# Altium PCB Board.PcbDoc (part 1 of 3) (continued)
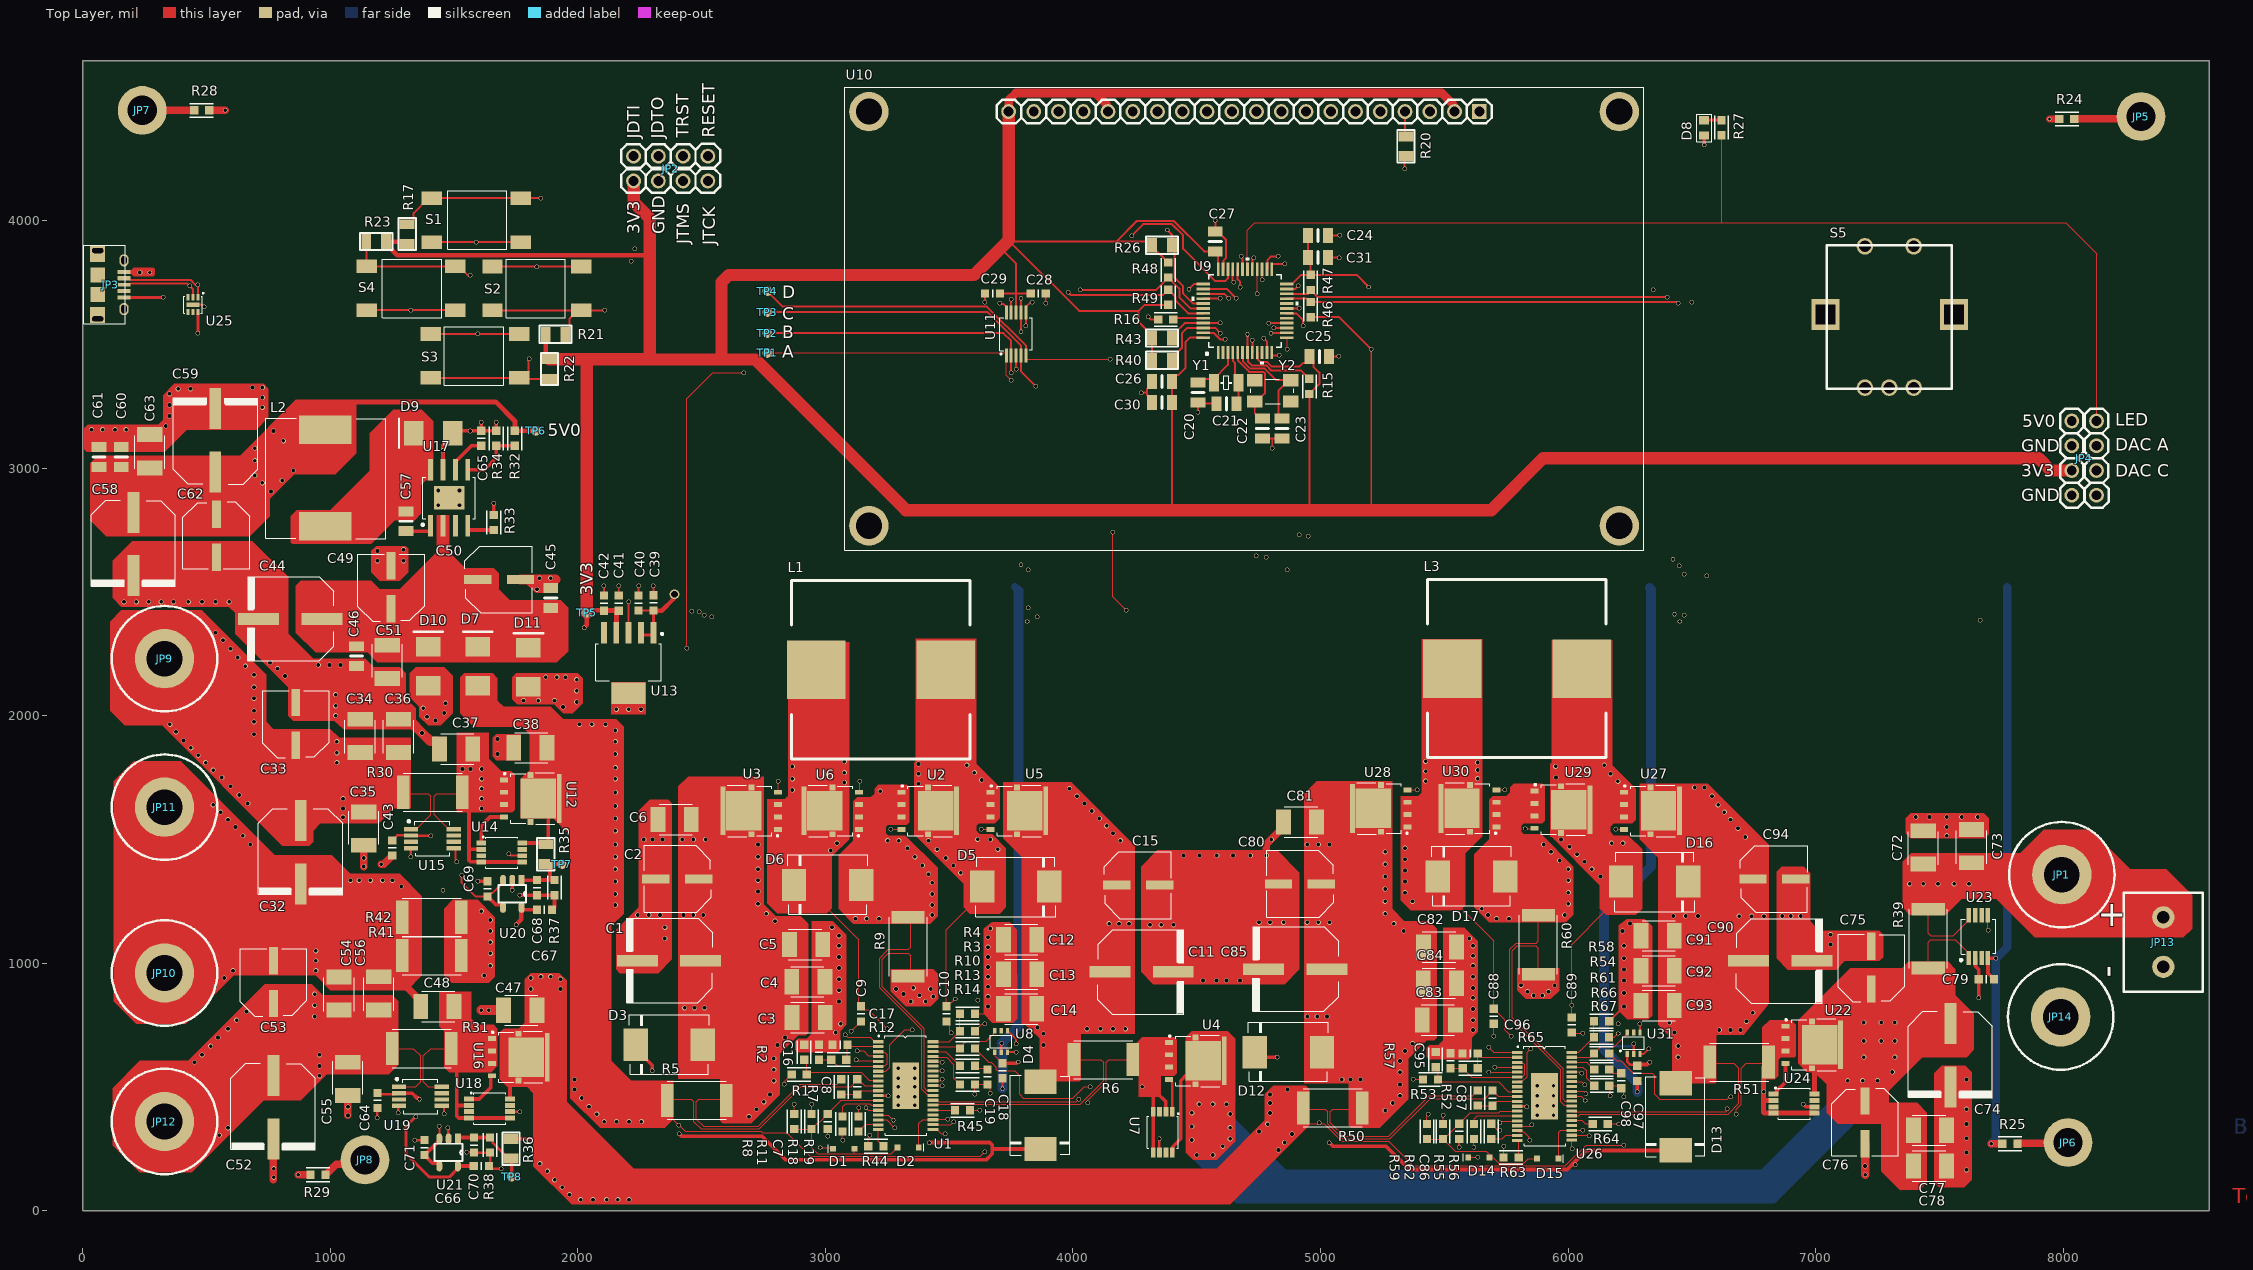
[diagram p0: Top Layer view]
## Footprints (in the part's own frame and the unit in brackets; to place one, negate y for a bottom-side part, rotate by r counter-clockwise, add the part's x,y. Pads: shape width x height; smd on the part's side, far side on the other; paste and mask are expansions set on the pad) (continued)
SOD323F [mm]
  rect 0.6x0.6 smd mask+0.102: 1(-1.1,0) 2(1.1,0)
  silkscreen extent -1.6,-0.4 -1.6,0.4, body extent -1.35,-0.67 1.35,0.67, height 0.82
SOT-23-5 [mm]
  rect 1.1x0.6 smd: 1(0,0)
  oval 1.1x0.6 smd: 2(0,-0.95) 3(0,-1.9) 4(2.8,-1.9) 5(2.8,0)
  silkscreen extent 0.51,-2.38 2.29,0.48, body extent -0.01,-2.42 2.79,0.48, height 1.45
"TACTILE 4 PIN SMD 6MM" [mm]
  rect 1.4x2.1 smd: 1(0,0) 1(0,-9.1) 2(4.5,0) 2(4.5,-9.1)
  silkscreen extent -0.74,-7.48 5.26,-1.42, body extent -0.76,-9.52 5.24,0.48, height 5.07
"TEST POINT" [mm]
  round 1 smd: 1(0,0)
TSSOP-38-GNDPAD [mm]
  rect 0.32x1.1 smd: 1(0,0) 2(0.5,0) 3(1.021,0) 4(1.521,0) 5(2.021,0) 6(2.521,0) 7(3.021,0) 8(3.521,0) 9(4.021,0) 10(4.521,0) 11(5.021,0) 12(5.521,0) 13(6.021,0) 14(6.521,0) 15(7.021,0) 16(7.521,0) 17(8.021,0) 18(8.521,0) 19(9.021,0) 20(9,5.6) 21(8.5,5.6) 22(8,5.6) 23(7.5,5.6) 24(7,5.6) 25(6.5,5.6) 26(6,5.6) 27(5.5,5.6) 28(5,5.6) 29(4.5,5.6) 30(4,5.6) 31(3.5,5.6) 32(3,5.6) 33(2.5,5.6) 34(2,5.6) 35(1.5,5.6) 36(1,5.6) 37(0.5,5.6) 38(0,5.6)
  rect 4.75x2.74 smd: 30(4.5,2.8)
  silkscreen extent -0.61,0.05 9.59,4.95, body extent -0.34,-0.44 9.36,5.96, height 1.2

## Part data
C1 C11 C32 C44 C52 C58 C59 C74 C85 C90: library part "CAP ALUM 47UF", "CAP ALUM 47UF 20% 80V SMD"
C2 C15 C33 C49 C50 C53 C62 C75 C76 C80 C94: library part "CAP ALUM 10UF", "CAP ALUM 10UF 20% 80V SMD"
C3 C4 C5 C6 C12 C13 C14 C34 C35 C36 C37 C38 C47 C48 C51 C54 C55 C56 C63 C72 C73 C77 C78 C81 C82 C83 C84 C91 C92 C93: library part "CAP SMD 1210", "CAP SMD 1210", Size=1210
C7 C8 C9 C10 C16 C17 C19 C86 C87 C88 C89 C95 C96 C98: library part GCJ188R71H472KA01D, "0603", Digi-Key Part Number=490-5764-1-ND, Manufacturer="Murata Electronics North America", Operating Temperature="-55°C ~ 125°C", Package / Case="0603 (1608 Metric)", Ratings=AEC-Q200, Temperature Coefficient=X7R, Tolerance=±10%, Voltage=50V, @ qty=0, Applications="Automotive, Boardflex Sensitive", Datasheets=http://www.murata.com/~/media/webrenewal/support/library/catalog/products/capacitor/mlcc/c03e.ashx, Factory Stock=0, Features="Soft Termination", Height - Seated (Max)=-, Image=//media.digikey.com/Renders/Murata%20Renders/0603%28LQG18%29.jpg, Lead Spacing=-, Lead Style=-, Minimum Quantity=1, Mounting Type="Surface Mount, MLCC", Packaging="Cut Tape (CT)", Part Number=GCJ188R71H472KA01D, Part Status=Active, Quantity Available=7743, Series=GCJ, Size / Dimension="0.063\" L x 0.031\" W (1.60mm x 0.80mm)", Thickness (Max)="0.031\" (0.80mm)", Unit Price (USD)=0.19
C18 C97: library part GCJ188R71H104KA12D, "CAP CER 0.1UF 50V X7R 0603", Digi-Key Part Number=490-5798-1-ND, Manufacturer="Murata Electronics North America", Operating Temperature="-55°C ~ 125°C", Package / Case="0603 (1608 Metric)", Ratings=AEC-Q200, Temperature Coefficient=X7R, Tolerance=±10%, Voltage=50V, @ qty=0, Applications="Automotive, Boardflex Sensitive", Datasheets=http://www.murata.com/~/media/webrenewal/support/library/catalog/products/capacitor/mlcc/c03e.ashx, Factory Stock=0, Features="Soft Termination", Height - Seated (Max)=-, Image=//media.digikey.com/Renders/Murata%20Renders/0603%28LQG18%29.jpg, Lead Spacing=-, Lead Style=-, Minimum Quantity=1, Mounting Type="Surface Mount, MLCC", Packaging="Cut Tape (CT)", Part Number=GCJ188R71H104KA12D, Part Status=Active, Quantity Available=163695, Series=GCJ, Size / Dimension="0.063\" L x 0.031\" W (1.60mm x 0.80mm)", Thickness (Max)="0.035\" (0.90mm)", Unit Price (USD)=0.12
C20 C21 C22 C23 C24 C25 C26 C27: library part GCM21BR71H104KA37L, "CAP CER 0.1UF 50V X7R 0805", Digi-Key Part Number=490-6064-1-ND, Manufacturer="Murata Electronics North America", Operating Temperature="-55°C ~ 125°C", Package / Case="0805 (2012 Metric)", Ratings=AEC-Q200, Temperature Coefficient=X7R, Tolerance=±10%, Voltage=50V, @ qty=0, Applications=Automotive, Datasheets=http://www.murata.com/~/media/webrenewal/support/library/catalog/products/capacitor/mlcc/c03e.ashx, Factory Stock=0, Features=-, Height - Seated (Max)=-, Image=//media.digikey.com/photos/Murata%20Photos/NCP,GCM%20SERIES%200805.jpg, Lead Spacing=-, Lead Style=-, Minimum Quantity=1, Mounting Type="Surface Mount, MLCC", Packaging="Cut Tape (CT)", Part Number=GCM21BR71H104KA37L, Part Status=Active, Quantity Available=76325, Series=GCM, Size / Dimension="0.079\" L x 0.049\" W (2.00mm x 1.25mm)", Thickness (Max)="0.055\" (1.40mm)", Unit Price (USD)=0.12
C28 C29: library part GCJ188R71H223KA01D, "CAP CER 0.022UF 50V X7R 0603", Digi-Key Part Number=490-5851-1-ND, Manufacturer="Murata Electronics North America", Operating Temperature="-55°C ~ 125°C", Package / Case="0603 (1608 Metric)", Ratings=AEC-Q200, Temperature Coefficient=X7R, Tolerance=±10%, Voltage=50V, @ qty=0, Applications="Automotive, Boardflex Sensitive", Datasheets=http://www.murata.com/~/media/webrenewal/support/library/catalog/products/capacitor/mlcc/c03e.ashx, Factory Stock=0, Features="Soft Termination", Height - Seated (Max)=-, Image=//media.digikey.com/Renders/Murata%20Renders/0603%28LQG18%29.jpg, Lead Spacing=-, Lead Style=-, Minimum Quantity=1, Mounting Type="Surface Mount, MLCC", Packaging="Cut Tape (CT)", Part Number=GCJ188R71H223KA01D, Part Status=Active, Quantity Available=7651, Series=GCJ, Size / Dimension="0.063\" L x 0.031\" W (1.60mm x 0.80mm)", Thickness (Max)="0.031\" (0.80mm)", Unit Price (USD)=0.22
C30 C31: library part LLA219R71C104MA01L, "CAP CER 0.1UF 16V X7R 0805", Digi-Key Part Number=490-4414-1-ND, Manufacturer="Murata Electronics North America", Operating Temperature="-55°C ~ 125°C", Package / Case="0805 (2012 Metric)", Ratings=-, Temperature Coefficient=X7R, Tolerance=±20%, Voltage=16V, @ qty=0, Applications="Bypass, Decoupling", Datasheets=http://www.murata.com/~/media/webrenewal/support/library/catalog/products/capacitor/mlcc/c02e.pdf, Factory Stock=0, Features="Low ESL (Multi-Terminal)", Height - Seated (Max)=-, Image=//media.digikey.com/Renders/Murata%20Renders/0805-LLA.jpg, Lead Spacing=-, Lead Style=-, Minimum Quantity=1, Mounting Type="Surface Mount, MLCC", Packaging="Cut Tape (CT)", Part Number=LLA219R71C104MA01L, Part Status=Active, Quantity Available=7094, Series=LLA, Size / Dimension="0.079\" L x 0.049\" W (2.00mm x 1.25mm)", Thickness (Max)="0.037\" (0.95mm)", Unit Price (USD)=0.36
C39 C40 C41 C42: library part GCJ188R71E224KA12D, "CAP CER 0.22UF 25V X7R 0603", Digi-Key Part Number=490-5797-1-ND, Manufacturer="Murata Electronics North America", Operating Temperature="-55°C ~ 125°C", Package / Case="0603 (1608 Metric)", Ratings=AEC-Q200, Temperature Coefficient=X7R, Tolerance=±10%, Voltage=25V, @ qty=0, Applications="Automotive, Boardflex Sensitive", Datasheets=http://www.murata.com/~/media/webrenewal/support/library/catalog/products/capacitor/mlcc/c03e.ashx, Factory Stock=0, Features="Soft Termination", Height - Seated (Max)=-, Image=//media.digikey.com/Renders/Murata%20Renders/0603%28LQG18%29.jpg, Lead Spacing=-, Lead Style=-, Minimum Quantity=1, Mounting Type="Surface Mount, MLCC", Packaging="Cut Tape (CT)", Part Number=GCJ188R71E224KA12D, Part Status=Active, Quantity Available=23903, Series=GCJ, Size / Dimension="0.063\" L x 0.031\" W (1.60mm x 0.80mm)", Thickness (Max)="0.035\" (0.90mm)", Unit Price (USD)=0.24
C43 C64 C79: library part GCJ188R71H222KA01D, "CAP CER 2200PF 50V X7R 0603", Digi-Key Part Number=490-5766-1-ND, Manufacturer="Murata Electronics North America", Operating Temperature="-55°C ~ 125°C", Package / Case="0603 (1608 Metric)", Ratings=AEC-Q200, Temperature Coefficient=X7R, Tolerance=±10%, Voltage=50V, @ qty=0, Applications="Automotive, Boardflex Sensitive", Datasheets=http://www.murata.com/~/media/webrenewal/support/library/catalog/products/capacitor/mlcc/c03e.ashx, Factory Stock=0, Features="Soft Termination", Height - Seated (Max)=-, Image=//media.digikey.com/Renders/Murata%20Renders/0603%28LQG18%29.jpg, Lead Spacing=-, Lead Style=-, Minimum Quantity=1, Mounting Type="Surface Mount, MLCC", Packaging="Cut Tape (CT)", Part Number=GCJ188R71H222KA01D, Part Status=Active, Quantity Available=34786, Series=GCJ, Size / Dimension="0.063\" L x 0.031\" W (1.60mm x 0.80mm)", Thickness (Max)="0.031\" (0.80mm)", Unit Price (USD)=0.16
C45 C46 C60 C61: library part GRM2195C1H123FA01D, "CAP CER 0.012UF 50V NP0 0805", Digi-Key Part Number=490-12608-1-ND, Manufacturer="Murata Electronics North America", Operating Temperature="-55°C ~ 125°C", Package / Case="0805 (2012 Metric)", Ratings=-, Temperature Coefficient="C0G, NP0", Tolerance=±1%, Voltage=50V, @ qty=0, Applications="General Purpose", Datasheets=http://www.murata.com/~/media/webrenewal/support/library/catalog/products/capacitor/mlcc/c02e.pdf, Factory Stock=0, Features=-, Height - Seated (Max)=-, Image=//media.digikey.com/Renders/Murata%20Renders/0805%20(2012%20Metric)%20.85mm.jpg, Lead Spacing=-, Lead Style=-, Minimum Quantity=1, Mounting Type="Surface Mount, MLCC", Packaging="Cut Tape (CT)", Part Number=GRM2195C1H123FA01D, Part Status=Active, Quantity Available=4905, Series=GRM, Size / Dimension="0.079\" L x 0.049\" W (2.00mm x 1.25mm)", Thickness (Max)="0.037\" (0.95mm)", Unit Price (USD)=0.91
C57: library part GRM2195C1H153GA01D, "CAP CER 0.015UF 50V NP0 0805", Digi-Key Part Number=490-11581-1-ND, Manufacturer="Murata Electronics North America", Operating Temperature="-55°C ~ 125°C", Package / Case="0805 (2012 Metric)", Ratings=-, Temperature Coefficient="C0G, NP0", Tolerance=±2%, Voltage=50V, @ qty=0, Applications="General Purpose", Datasheets=http://www.murata.com/~/media/webrenewal/support/library/catalog/products/capacitor/mlcc/c02e.pdf, Factory Stock=0, Features=-, Height - Seated (Max)=-, Image=//media.digikey.com/Renders/Murata%20Renders/0805%20(2012%20Metric)%20.85mm.jpg, Lead Spacing=-, Lead Style=-, Minimum Quantity=1, Mounting Type="Surface Mount, MLCC", Packaging="Cut Tape (CT)", Part Number=GRM2195C1H153GA01D, Part Status=Active, Quantity Available=3423, Series=GRM, Size / Dimension="0.079\" L x 0.049\" W (2.00mm x 1.25mm)", Thickness (Max)="0.037\" (0.95mm)", Unit Price (USD)=0.72
C65: library part GCJ188R72A103KA01D, "CAP CER 10000PF 100V X7R 0603", Digi-Key Part Number=490-5771-1-ND, Manufacturer="Murata Electronics North America", Operating Temperature="-55°C ~ 125°C", Package / Case="0603 (1608 Metric)", Ratings=AEC-Q200, Temperature Coefficient=X7R, Tolerance=±10%, Voltage=100V, @ qty=0, Applications="Automotive, Boardflex Sensitive", Datasheets=http://www.murata.com/~/media/webrenewal/support/library/catalog/products/capacitor/mlcc/c03e.ashx, Factory Stock=0, Features="Soft Termination", Height - Seated (Max)=-, Image=//media.digikey.com/Renders/Murata%20Renders/0603%28LQG18%29.jpg, Lead Spacing=-, Lead Style=-, Minimum Quantity=1, Mounting Type="Surface Mount, MLCC", Packaging="Cut Tape (CT)", Part Number=GCJ188R72A103KA01D, Part Status=Active, Quantity Available=130287, Series=GCJ, Size / Dimension="0.063\" L x 0.031\" W (1.60mm x 0.80mm)", Thickness (Max)="0.031\" (0.80mm)", Unit Price (USD)=0.21
C66 C67 C68 C69 C70 C71: library part GCJ188R71H333KA12D, "CAP CER 0.033UF 50V X7R 0603", Digi-Key Part Number=490-5852-1-ND, Manufacturer="Murata Electronics North America", Operating Temperature="-55°C ~ 125°C", Package / Case="0603 (1608 Metric)", Ratings=AEC-Q200, Temperature Coefficient=X7R, Tolerance=±10%, Voltage=50V, @ qty=0, Applications="Automotive, Boardflex Sensitive", Datasheets=http://www.murata.com/~/media/webrenewal/support/library/catalog/products/capacitor/mlcc/c03e.ashx, Factory Stock=0, Features="Soft Termination", Height - Seated (Max)=-, Image=//media.digikey.com/Renders/Murata%20Renders/0603%28LQG18%29.jpg, Lead Spacing=-, Lead Style=-, Minimum Quantity=1, Mounting Type="Surface Mount, MLCC", Packaging="Cut Tape (CT)", Part Number=GCJ188R71H333KA12D, Part Status=Active, Quantity Available=16459, Series=GCJ, Size / Dimension="0.063\" L x 0.031\" W (1.60mm x 0.80mm)", Thickness (Max)="0.031\" (0.80mm)", Unit Price (USD)=0.23
D1 D2 D14 D15: "DIODE SCHOTTKY 100V 250MA SOD323 /  / Diode Schottky 100 V 250mA (DC) Surface Mount SOD-323F", Mfr_Name=Nexperia, Copyright="Copyright (C) 2021 Ultra Librarian. All rights reserved.", Digi-Key_Part_Number_1=1727-4817-2-ND, Digi-Key_Part_Number_2=1727-4817-1-ND, Digi-Key_Part_Number_3=1727-4817-6-ND, Manufacturer_Part_Number=BAT46WJ,115, RefDes=RefDes, Type=DEV
D3 D4 D5 D6 D12 D13 D16 D17: library part "DIODE SK58L-TP", "DIODE SCHOTTKY 80V 5A DO214AB/SMC /  / Diode Schottky 80 V 5A Surface Mount SMC (DO-214AB)"
D7 D11: library part "DIODE 10BQ060", "DIODE SCHOTTKY 60V 1A SMB /  / Diode Schottky 60 V 1A Surface Mount DO-214AA (SMB) /  / https://assets.nexperia.com/documents/package-information/SOT669.pdf"
D9: library part "DIODE B380B-13-F", "DIODE SCHOTTKY 80V 3A SMB"
D10: library part "DIODE 10BQ060", "DIODE SCHOTTKY 60V 1A SMB"
JP1 JP9 JP10 JP11 JP12 JP14: library part "CONN BANANA JACK", "CONN BIND POST KNURLED BLACK‎"
JP2 JP4: library part "CONN HEADER VERT 2x4", "CONN HEADER VERT 8POS 2.54MM"
JP3: library part "CONN USB", "CONN RCPT USB2.0 MICRO B SMD R/A"
JP5 JP6 JP7 JP8: library part "HOLE MOUNT M3", "M3 MOUNT HOLE SIZE"
JP13: library part "TERM BLK 2P SIDE ENT 5.08MM", "Phoenix Contact-1729128"
L1 L3: library part "INDUCTOR 7443556680", "FIXED IND 6.8UH 18.5A 4.1MOHM SM"
L2: library part "INDUCTOR 744771008", "FIXED IND 8.2UH 6.25A 20MOHM SMD"
R1 R2 R3 R4 R7 R8 R10 R11 R12 R13 R14 R52 R53 R54 R57 R58 R59 R61 R62 R65 R66 R67: library part ERJ-3BQJ5R6V, "0603", Digi-Key Part Number=P17425CT-ND, Manufacturer="Panasonic Electronic Components", Operating Temperature="-55°C ~ 125°C", Package / Case="0603 (1608 Metric)", Power (Watts)="0.25W, 1/4W", Temperature Coefficient=±200ppm/°C, Tolerance=±5%, @ qty=1500, Composition="Thick Film", Datasheets=https://industrial.panasonic.com/cdbs/www-data/pdf/RDA0000/AOA0000C239.pdf, Factory Stock=0, Failure Rate=-, Features="Automotive AEC-Q200, Current Sense", Height - Seated (Max)="0.022\" (0.55mm)", Image=//media.digikey.com/Photos/Panasonic%20Photos/MFG_ERJ-P6W%20Series.jpg, Minimum Quantity=1, Number of Terminations=2, Packaging="Cut Tape (CT)", Part Number=ERJ-3BQJ5R6V, Part Status=Active, Quantity Available=3950, Series=ERJ, Size / Dimension="0.063\" L x 0.031\" W (1.60mm x 0.80mm)", Supplier Device Package=0603, Unit Price (USD)=0.03980
R5 R6 R9 R30 R31 R39 R41 R42 R50 R51 R60: library part "RES SMD 2512", "RES SMD 2512 2W", Size=2512
R15 R16: library part ERJ-3BQF1R6V, "RES SMD 1.6 OHM 1% 1/4W 0603", Digi-Key Part Number=P17375CT-ND, Manufacturer="Panasonic Electronic Components", Operating Temperature="-55°C ~ 125°C", Package / Case="0603 (1608 Metric)", Power (Watts)="0.25W, 1/4W", Supplier Device Package=0603, Temperature Coefficient=±200ppm/°C, Tolerance=±1%, @ qty=1500, Composition="Thick Film", Datasheets=https://industrial.panasonic.com/cdbs/www-data/pdf/RDA0000/AOA0000C239.pdf, Factory Stock=0, Failure Rate=-, Features="Automotive AEC-Q200, Current Sense", Height - Seated (Max)="0.022\" (0.55mm)", Image=//media.digikey.com/Photos/Panasonic%20Photos/MFG_ERJ-P6W%20Series.jpg, Minimum Quantity=1, Number of Terminations=2, Packaging="Cut Tape (CT)", Part Number=ERJ-3BQF1R6V, Part Status=Active, Quantity Available=1850, Series=ERJ, Size / Dimension="0.063\" L x 0.031\" W (1.60mm x 0.80mm)", Unit Price (USD)=0.05386
R17 R20 R21 R22 R23 R26 R40 R43: library part ERJ-6BWFR100V, "RES SMD 0.1 OHM 1% 1/2W 0805", Digi-Key Part Number=P17589CT-ND, Manufacturer="Panasonic Electronic Components", Operating Temperature="-55°C ~ 155°C", Package / Case="0805 (2012 Metric)", Power (Watts)="0.5W, 1/2W", Supplier Device Package=0805, Temperature Coefficient=±200ppm/°C, Tolerance=±1%, @ qty=1500, Composition="Thick Film", Datasheets=https://industrial.panasonic.com/cdbs/www-data/pdf/RDA0000/AOA0000C239.pdf, Factory Stock=0, Failure Rate=-, Features="Automotive AEC-Q200, Current Sense", Height - Seated (Max)="0.030\" (0.75mm)", Image=//media.digikey.com/Renders/Panasonic%20Renders/ERJ-0805%20Pkg.jpg, Minimum Quantity=1, Number of Terminations=2, Packaging="Cut Tape (CT)", Part Number=ERJ-6BWFR100V, Part Status=Active, Quantity Available=12233, Series=ERJ, Size / Dimension="0.079\" L x 0.049\" W (2.00mm x 1.25mm)", Unit Price (USD)=0.15268
R18 R19 R44 R45 R55 R56 R63 R64: library part ERJ-3BQF1R0V, "RES SMD 1 OHM 1% 1/4W 0603", Digi-Key Part Number=P17371CT-ND, Manufacturer="Panasonic Electronic Components", Operating Temperature="-55°C ~ 125°C", Package / Case="0603 (1608 Metric)", Power (Watts)="0.25W, 1/4W", Supplier Device Package=0603, Temperature Coefficient=±200ppm/°C, Tolerance=±1%, @ qty=1500, Composition="Thick Film", Datasheets=https://industrial.panasonic.com/cdbs/www-data/pdf/RDA0000/AOA0000C239.pdf, Factory Stock=0, Failure Rate=-, Features="Automotive AEC-Q200, Current Sense", Height - Seated (Max)="0.022\" (0.55mm)", Image=//media.digikey.com/Photos/Panasonic%20Photos/MFG_ERJ-P6W%20Series.jpg, Minimum Quantity=1, Number of Terminations=2, Packaging="Cut Tape (CT)", Part Number=ERJ-3BQF1R0V, Part Status=Active, Quantity Available=30514, Series=ERJ, Size / Dimension="0.063\" L x 0.031\" W (1.60mm x 0.80mm)", Unit Price (USD)=0.05386
R24 R25 R28 R29: library part ERJ-3BQFR33V, "RES SMD 0.33 OHM 1% 1/4W 0603", Digi-Key Part Number=P17396CT-ND, Manufacturer="Panasonic Electronic Components", Operating Temperature="-55°C ~ 125°C", Package / Case="0603 (1608 Metric)", Power (Watts)="0.25W, 1/4W", Supplier Device Package=0603, Temperature Coefficient=±300ppm/°C, Tolerance=±1%, @ qty=1500, Composition="Thick Film", Datasheets=https://industrial.panasonic.com/cdbs/www-data/pdf/RDA0000/AOA0000C239.pdf, Factory Stock=0, Failure Rate=-, Features="Automotive AEC-Q200, Current Sense", Height - Seated (Max)="0.022\" (0.55mm)", Image=//media.digikey.com/Photos/Panasonic%20Photos/MFG_ERJ-P6W%20Series.jpg, Minimum Quantity=1, Number of Terminations=2, Packaging="Cut Tape (CT)", Part Number=ERJ-3BQFR33V, Part Status=Active, Quantity Available=1368, Series=ERJ, Size / Dimension="0.063\" L x 0.031\" W (1.60mm x 0.80mm)", Unit Price (USD)=0.05386
R27 R46 R47 R48 R49: library part ERJ-3BQF1R5V, "RES SMD 1.5 OHM 1% 1/4W 0603", Digi-Key Part Number=P15988CT-ND, Manufacturer="Panasonic Electronic Components", Operating Temperature="-55°C ~ 125°C", Package / Case="0603 (1608 Metric)", Power (Watts)="0.25W, 1/4W", Supplier Device Package=0603, Temperature Coefficient=±200ppm/°C, Tolerance=±1%, @ qty=1500, Composition="Thick Film", Datasheets=https://industrial.panasonic.com/cdbs/www-data/pdf/RDA0000/AOA0000C239.pdf, Factory Stock=0, Failure Rate=-, Features="Automotive AEC-Q200, Current Sense", Height - Seated (Max)="0.022\" (0.55mm)", Image=//media.digikey.com/Photos/Panasonic%20Photos/MFG_ERJ-P6W%20Series.jpg, Minimum Quantity=1, Number of Terminations=2, Packaging="Cut Tape (CT)", Part Number=ERJ-3BQF1R5V, Part Status=Active, Quantity Available=1591, Series=ERJ, Size / Dimension="0.063\" L x 0.031\" W (1.60mm x 0.80mm)", Unit Price (USD)=0.06115
R32 R33 R34: library part ERJ-3BQFR22V, "RES SMD 0.22 OHM 1% 1/4W 0603", Digi-Key Part Number=P17245CT-ND, Manufacturer="Panasonic Electronic Components", Operating Temperature="-55°C ~ 125°C", Package / Case="0603 (1608 Metric)", Power (Watts)="0.25W, 1/4W", Supplier Device Package=0603, Temperature Coefficient=±300ppm/°C, Tolerance=±1%, @ qty=1500, Composition="Thick Film", Datasheets=https://industrial.panasonic.com/cdbs/www-data/pdf/RDA0000/AOA0000C239.pdf, Factory Stock=0, Failure Rate=-, Features="Automotive AEC-Q200, Current Sense", Height - Seated (Max)="0.022\" (0.55mm)", Image=//media.digikey.com/Photos/Panasonic%20Photos/MFG_ERJ-P6W%20Series.jpg, Minimum Quantity=1, Number of Terminations=2, Packaging="Cut Tape (CT)", Part Number=ERJ-3BQFR22V, Part Status=Active, Quantity Available=11618, Series=ERJ, Size / Dimension="0.063\" L x 0.031\" W (1.60mm x 0.80mm)", Unit Price (USD)=0.05386
R35 R36: library part ERJ-6CWFR011V, "RES SMD 0.011 OHM 1% 1/2W 0805", Digi-Key Part Number=P19197CT-ND, Manufacturer="Panasonic Electronic Components", Operating Temperature="-55°C ~ 125°C", Package / Case="0805 (2012 Metric)", Power (Watts)="0.5W, 1/2W", Supplier Device Package=0805, Temperature Coefficient=±75ppm/°C, Tolerance=±1%, @ qty=1500, Composition="Thick Film", Datasheets=https://industrial.panasonic.com/cdbs/www-data/pdf/RDA0000/AOA0000C239.pdf, Factory Stock=0, Failure Rate=-, Features="Automotive AEC-Q200, Current Sense", Height - Seated (Max)="0.030\" (0.75mm)", Image=//media.digikey.com/Renders/Panasonic%20Renders/ERJ-0805%20Pkg.jpg, Minimum Quantity=1, Number of Terminations=2, Packaging="Cut Tape (CT)", Part Number=ERJ-6CWFR011V, Part Status=Active, Quantity Available=4985, Series=ERJ, Size / Dimension="0.081\" L x 0.051\" W (2.05mm x 1.30mm)", Unit Price (USD)=0.17178
R37 R38: library part ERJ-3BQF2R0V, "RES SMD 2 OHM 1% 1/4W 0603", Digi-Key Part Number=P17377CT-ND, Manufacturer="Panasonic Electronic Components", Operating Temperature="-55°C ~ 125°C", Package / Case="0603 (1608 Metric)", Power (Watts)="0.25W, 1/4W", Supplier Device Package=0603, Temperature Coefficient=±200ppm/°C, Tolerance=±1%, @ qty=1500, Composition="Thick Film", Datasheets=https://industrial.panasonic.com/cdbs/www-data/pdf/RDA0000/AOA0000C239.pdf, Factory Stock=0, Failure Rate=-, Features="Automotive AEC-Q200, Current Sense", Height - Seated (Max)="0.022\" (0.55mm)", Image=//media.digikey.com/Photos/Panasonic%20Photos/MFG_ERJ-P6W%20Series.jpg, Minimum Quantity=1, Number of Terminations=2, Packaging="Cut Tape (CT)", Part Number=ERJ-3BQF2R0V, Part Status=Active, Quantity Available=221, Series=ERJ, Size / Dimension="0.063\" L x 0.031\" W (1.60mm x 0.80mm)", Unit Price (USD)=0.05386
S1 S2 S3 S4: library part "SWITCH TACTILE SPST", "SWITCH TACTILE SPST-NO 0.05A 24V"
S5: library part "RTRY ENCDR MECH 24PPR", "Rotary Encoder Mechanical 24 Quadrature (Incremental) Vertical"
TP1 TP2 TP3 TP4 TP5 TP6 TP7 TP8: "1mm pad for test points"
U1 U26: library part "IC LT3790 BUCK/BOOST 60V 150W", "IC REG CTRLR BUCK-BOOST 38TSSOP /  / Buck-Boost Regulator Positive Output Step-Up/Step-Down - DC-DC Controller IC 38-TSSOP-EP"
U2 U3 U4 U5 U6 U12 U16 U22 U27 U28 U29 U30: library part "FET SQJA80EP-T1_GE3", "MOSFET N-CH 80V 60A PPAK SO-8"
U7 U14 U18 U24: library part "IC LTC4359", "OR Controller N+1 ORing Controller N-Channel N:1 8-MSOP"
U8 U31: library part "IC DIGIPOT MCP4017T-104E/LT", "IC DGT POT 100KOHM 128TAP SC70-6"
U9: library part "IC STM32L151CBT6A_1", "No Description Available", Built_By=EMA_Matt, Copyright="Copyright (C) 2018 Accelerated Designs. All rights reserved", Datasheet=https://www.mouser.com/datasheet/2/389/dm00078689-1797705.pdf, Manufacturer_Part_Number=STM32L151CBT6A, RefDes=RefDes, SourceLibrary=Add_to_database_2021-03-16, Type=DEV, Vendor=STMicroelectronics
U10: library part "DISP OLED GRAPHIC 128X64 WHT", "Graphic LCD Display Module  White OLED - Passive Matrix Parallel/Serial 2.7\" (68.58mm) 128 x 64"
U11: library part "IC DAC DAC7574IDGSR", "IC DAC 12BIT V-OUT 10VSSOP"
U13: library part "IC REG TPS79533DCQG4", "IC REG LIN 3.3V 500MA SOT223-6"
U15 U19 U23: library part "IC LMP8480", "IC CURR SENSE 1 CIRCUIT 8VSSOP"
U17: library part "IC LMR16030SDDA", "IC REG BUCK ADJUSTABLE 3A 8SOPWR"
U20 U21: library part "IC OPAMP GP 1 CIRCUIT", "IC OPAMP GP 1 CIRCUIT SOT23-5"
U25: library part "IC RCLAMP0854P.TCT", "TVS DIODE 5.5VWM 30VC SLP1616P6"
Y1: library part "CRYSTAL 32.7680KHZ", "32.768kHz ±20ppm Crystal 6pF 55 kOhms 2-SMD, No Lead"
Y2: library part "CRYSTAL 20MHZ", "CRYSTAL 20MHZ 18PF SMD"

## Via types
v1: diameter 20, hole 15, Top Layer to Bottom Layer, 502 vias
v2: diameter 18, hole 14, Top Layer to Bottom Layer, 262 vias
v3: diameter 40, hole 28, Top Layer to Bottom Layer, 1 vias

## Nets (pads, with @x,y where several pads share a name; then routed paths per layer and width w, separated by ;. In a path a pad name is that pad's centre, name@x,y a point inside that pad or via, vN(x,y) a via of type N, cw(c..) or ccw(c..) an arc to the next point about the centre after c; other vN are vias at no path point)
BG1: R19.1 U1.18 | length 92.4
  Top Layer w5: R19.1@3133.86,319.49 3162.72,348.35 3211.97,348.35 U1.18@3213.62,346.7
BOOT1: U9.20
BTN1: R17.1 S1.1 U9.25 | length 3808.2
  Top Layer w8: R17.1@1310,3985 1320,3985 1336,4001 1336,4029.78 1396.22,4090 S1.1@1410,4090 S1.1@1768.27,4090 v2@1850,4090 ; U9.25@4803.3,3803.25 4803.3,3823.5 4804.8,3825 v2(4855,3825)
  Layer 1 w8: v2(1849.23,4090.77) 1851.14,4092.69 1887.31,4092.69 2064,3916 4794.46,3916 4855,3855.46 v2(4855,3825)
BTN2: R21.1 S2.1 U9.26 | length 3612.2
  Top Layer w8: S2.1@1655,3636.73 S2.1@1999.49,3636.73 ; R21.1@1950,3540 1966,3556 1966,3603.24 S2.1@1999.49,3636.73 ; v2@2110,3635 2108.27,3636.73 S2.1@2013.27,3636.73 S2.1@1999.49,3636.73 ; U9.26@4783.6,3803.25 4785.1,3804.75 4785.1,3840.1 4798.93,3853.93 4828.93,3853.93 v2(4830,3855)
  Layer 1 w8: v2(2230,3885) 4685,3885 4700,3870 4700,3845 4720,3825 4745,3825 4775,3855 v2(4830,3855)
  Layer 2 w8: v2(2108.36,3636.64) 2108.36,3763.36 v2(2230,3885)
BTN3: R22.1 S3.1 U9.31 | length 3768.5
  Top Layer w8: S3.1@1405,3364.57 S3.1@1763.27,3364.57 ; v2@1805,3440 1800.61,3435.61 1800.61,3388.13 1777.05,3364.57 S3.1@1763.27,3364.57 ; R22.1@1885,3360 1767.83,3360 S3.1@1763.27,3364.57 ; v2@4680,3855 4685.15,3849.85 U9.31@4685.15,3803.25
  Layer 1 w8: v2(2215,3835) 2250,3870 4665,3870 v2(4679.23,3855.77)
  Layer 2 w8: v2(1804.23,3440.77) 1945.77,3440.77 2126.36,3621.36 2126.36,3746.36 v2(2215,3835)
BTN4: R23.1 S4.1 U9.29 | length 3830.5
  Top Layer w8: R23.1@1145,3915 1145,3816.73 S4.1@1146.73,3815 S4.1@1505,3815 1518.78,3815 1557.08,3776.7 1563.7,3776.7 v2(1565,3778) ; U9.29@4724.53,3803.25 4724.53,3844.53 v2(4730,3850)
  Layer 1 w8: v2(1565,3778) 1709.85,3778 1712.85,3775 1855,3775 1983,3903 4685.38,3903 4730,3858.38 v2(4730,3850)
DAC_OUTA: JP4.4 TP1.1 U11.1 | length 5706.2
  Top Layer w5: TP1.1@2765,3465 3727.22,3465 3730.63,3461.59 U11.1@3730.63,3455 3730.63,3374.37 v2(3750,3355)
  Layer 1 w5: v2(3750,3355) 5449.35,3355 5520.59,3283.76 7216.42,3283.76 7248.66,3316 7248.66,3333.44 7280.91,3365.69 7314.84,3365.69 7347.09,3333.44 7347.09,3316 7623.09,3040 8085,3040 JP4.4@8135,3090